# Altium PCB NxtPX4.PcbDoc (part 1 of 6)
Units mm, origin at the board's own origin, x right, y up, seen from the top; angles counter-clockwise.
Board outline 33 x 27 mm, 4 copper layers (F.Cu, In1.Cu, In2.Cu, B.Cu); 137 components, 132 nets, 629 pads, 296 vias.
Unrouted connection lines stored in the file: 3.
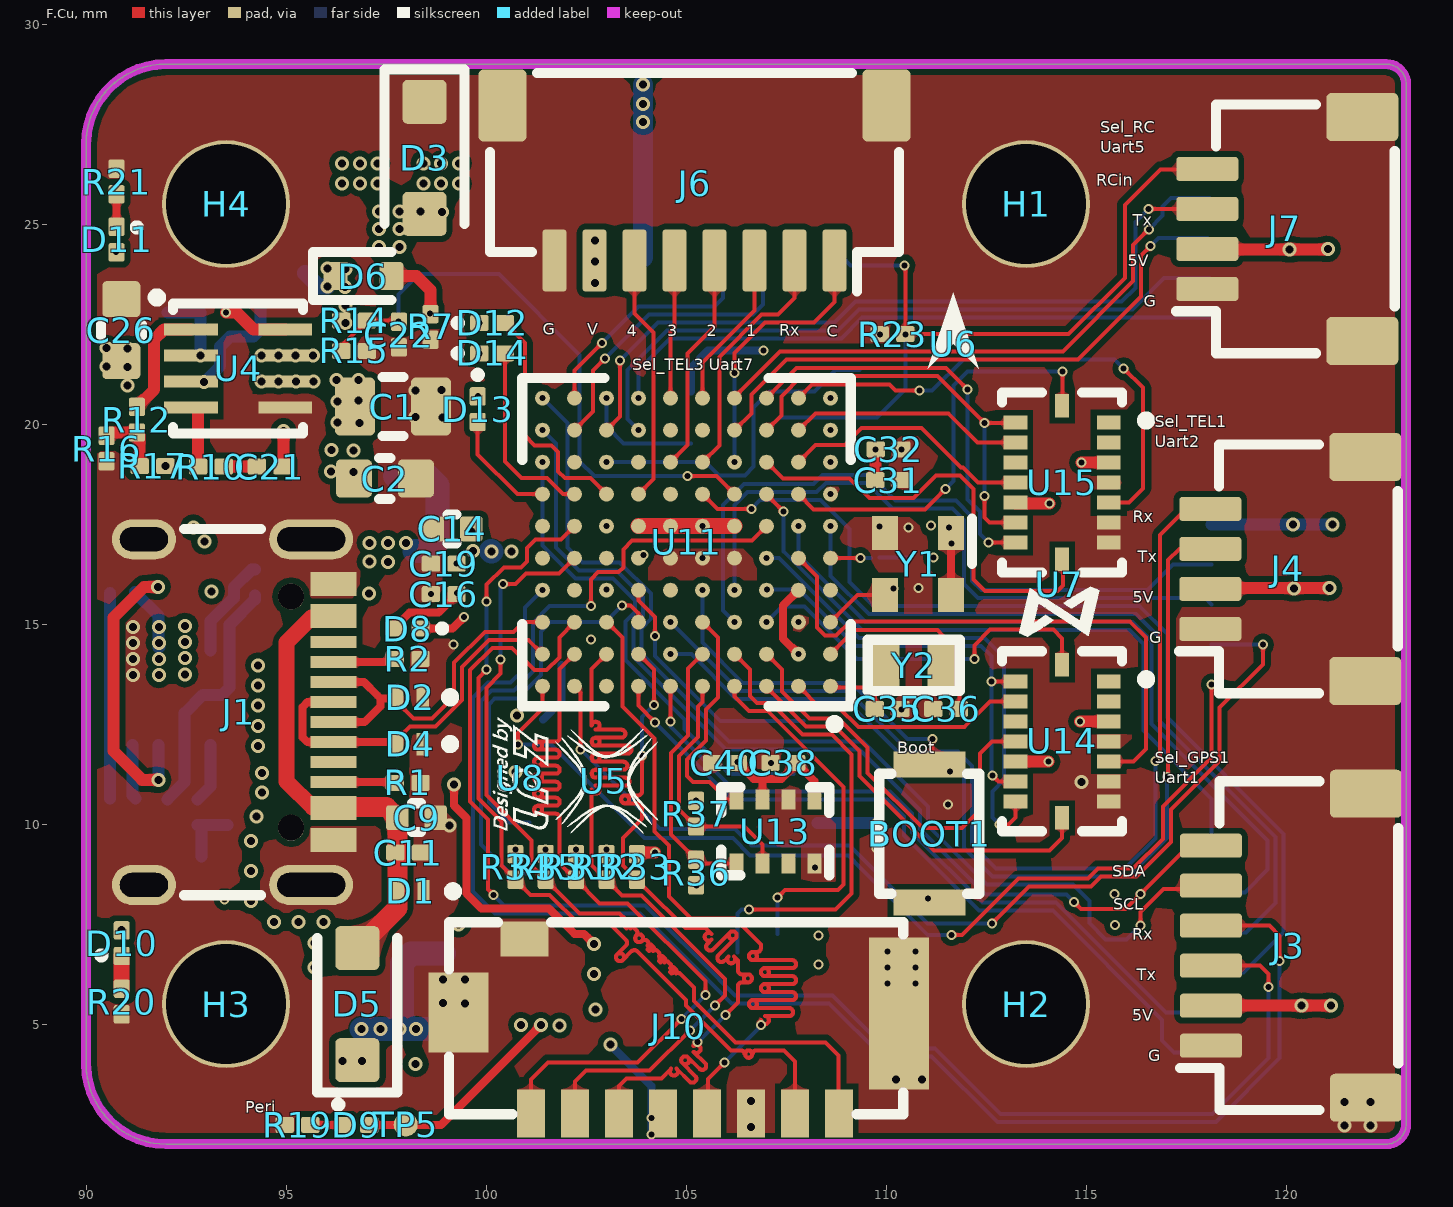
[diagram p0: F.Cu view]
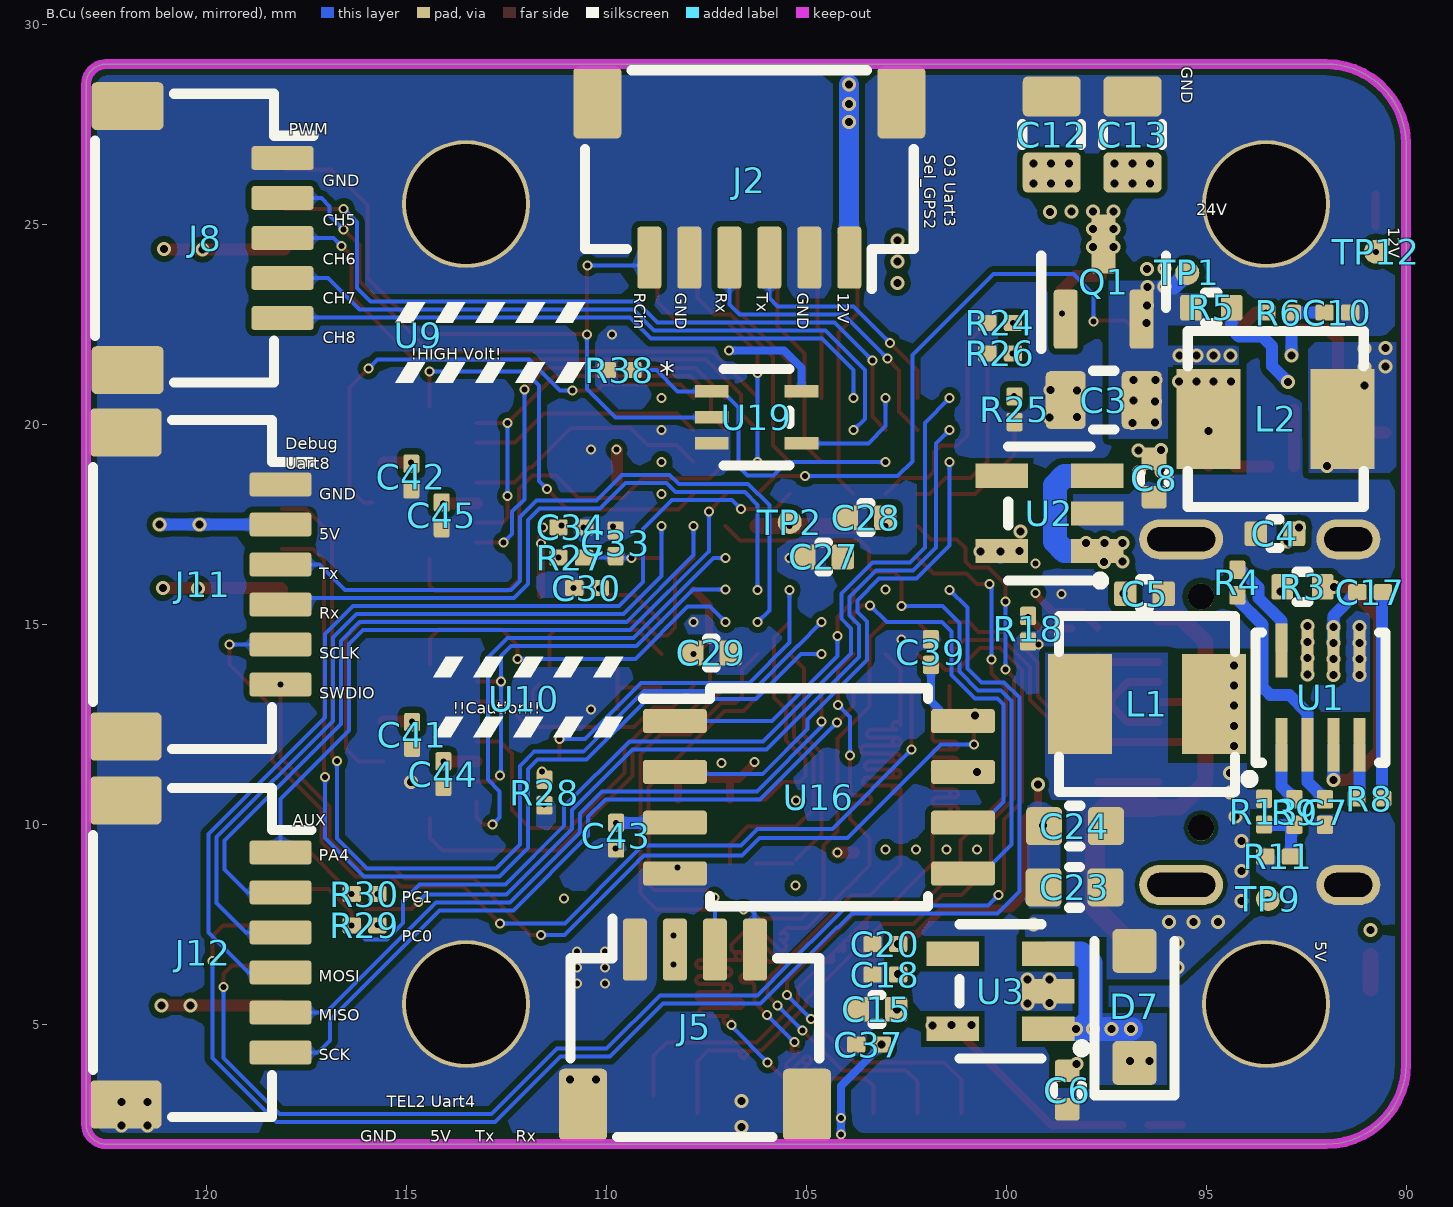
[diagram p1: B.Cu view, seen from below]
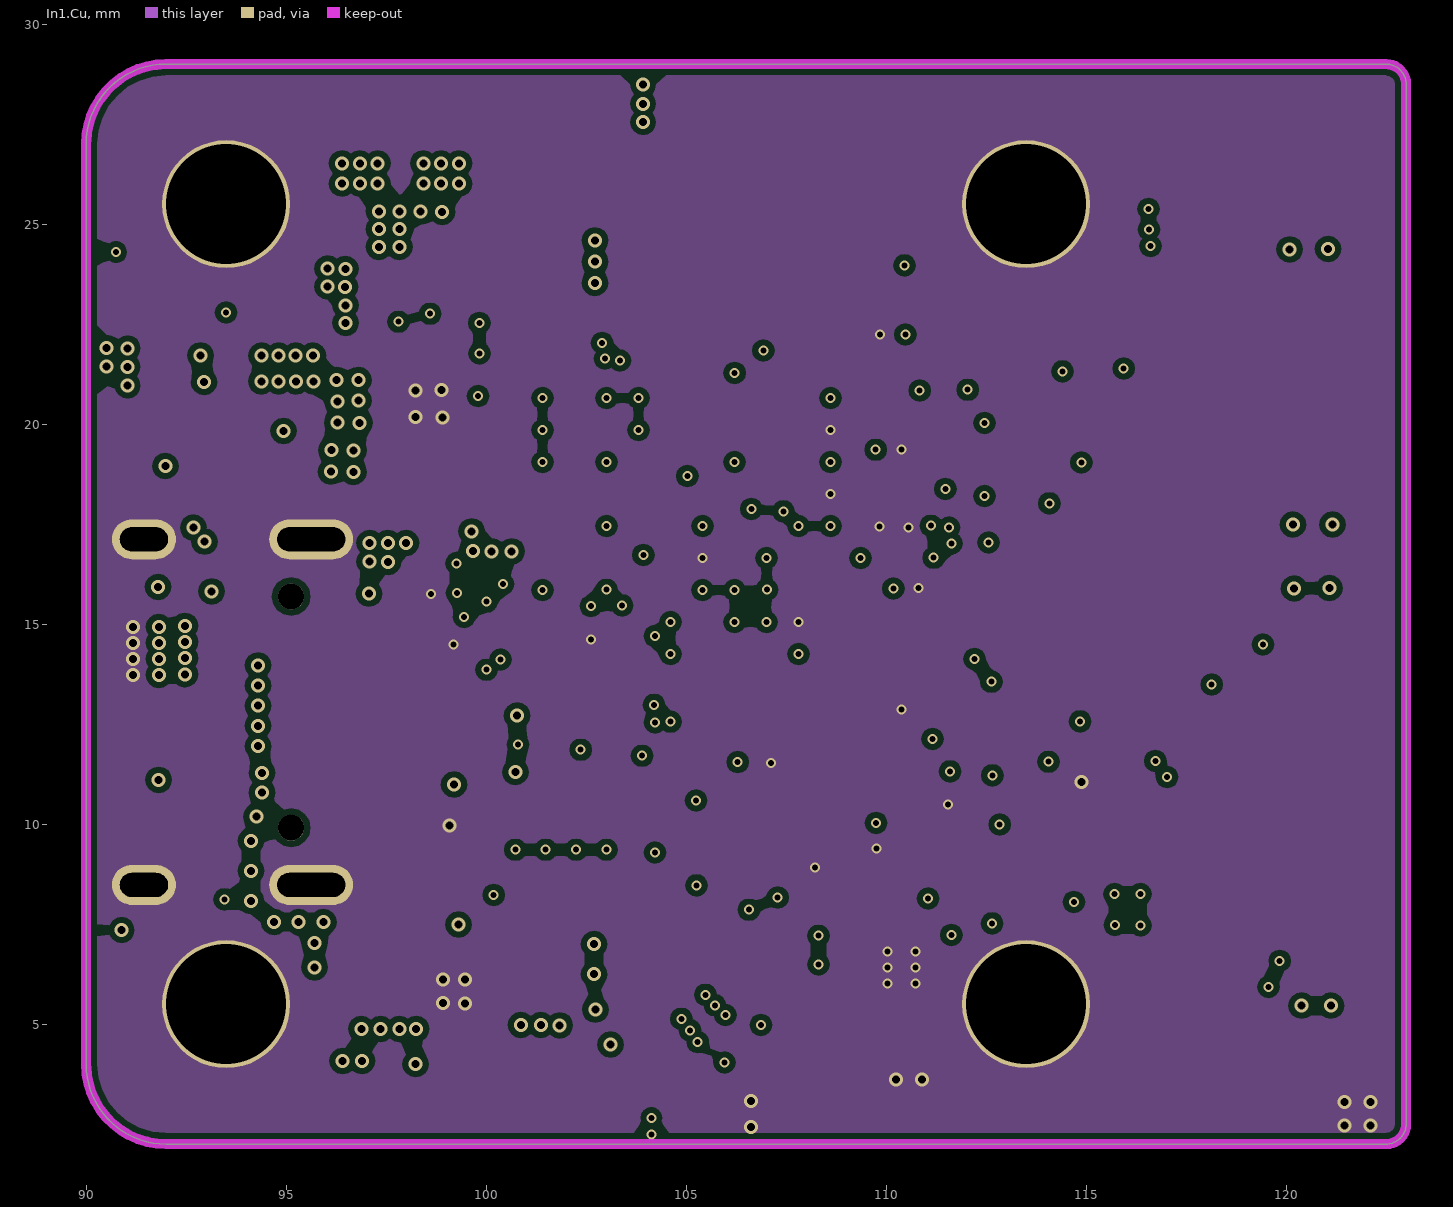
[diagram p2: In1.Cu]
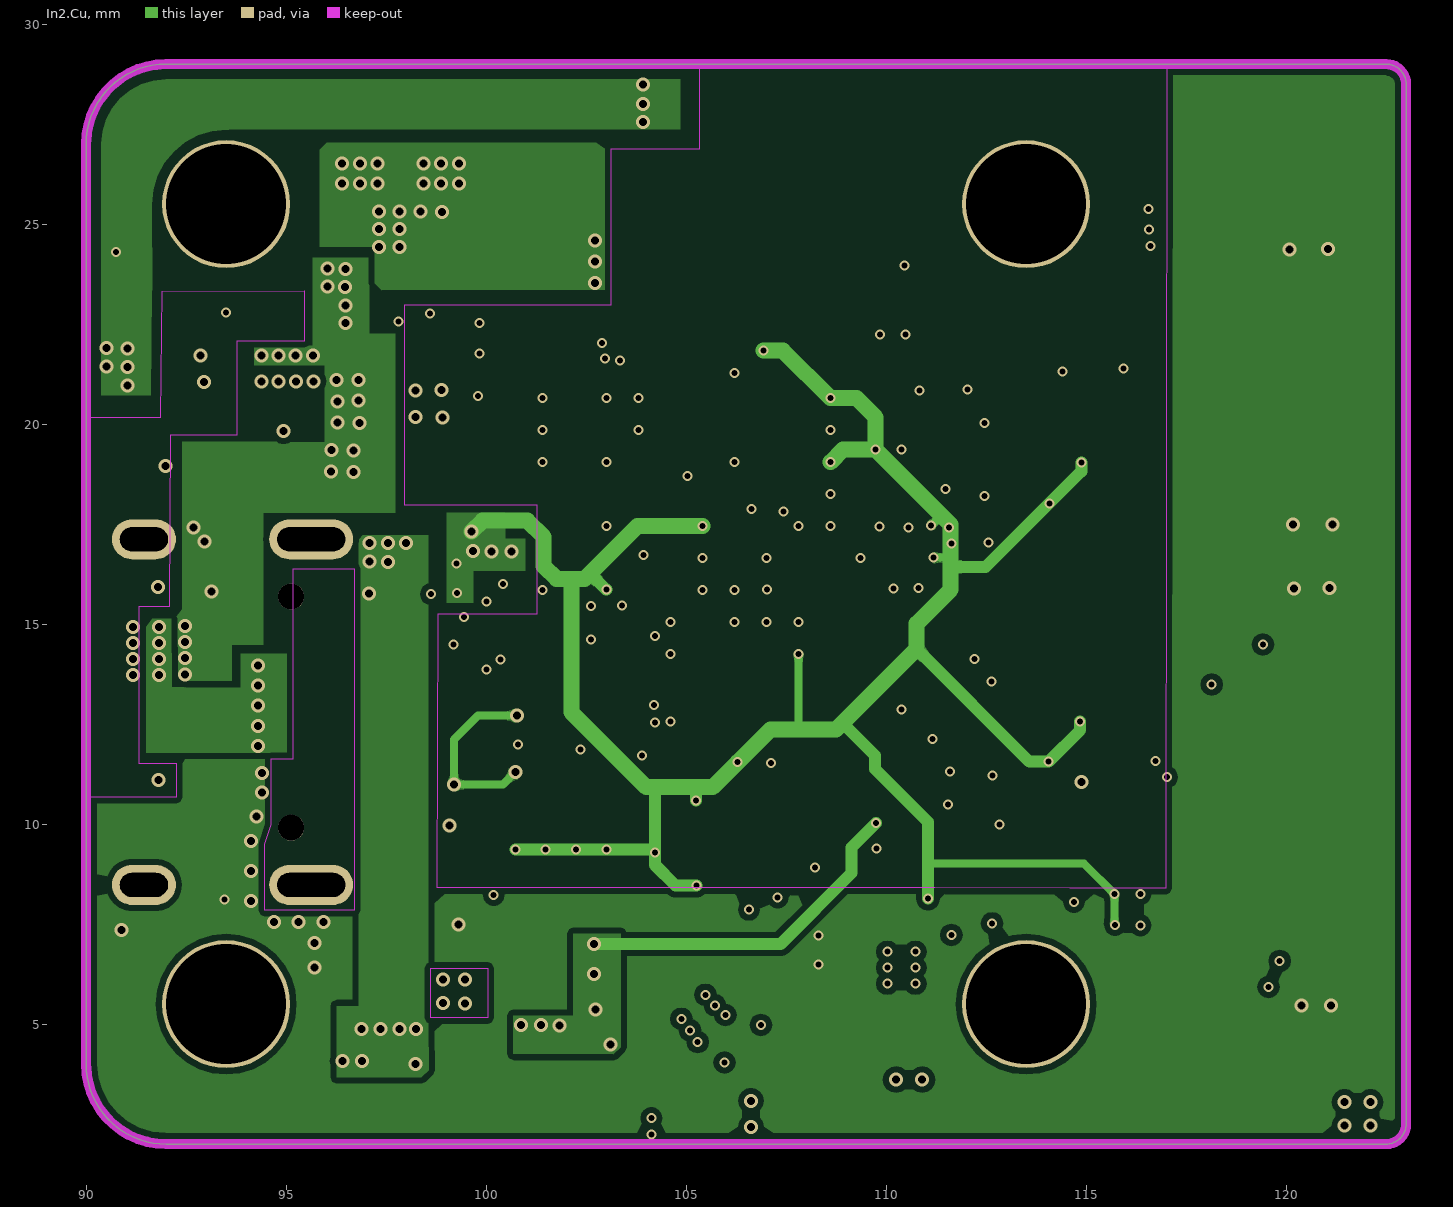
[diagram p3: In2.Cu]

## Layer stack, top to bottom
F.Mask: solder mask 0.0102, Solder Resist, Dk 3.5
F.Cu: signal copper 0.0356
Dielectric 1: dielectric 0.32, FR-4, Dk 4.8
In1.Cu: signal copper 0.0356
Dielectric2: dielectric 0.32, FR-4, Dk 4.8
In2.Cu: signal copper 0.0356
Dielectric3: dielectric 0.32, FR-4, Dk 4.8
B.Cu: signal copper 0.0356
B.Mask: solder mask 0.0102, Solder Resist, Dk 3.5

## Board outline
92,29.01 122.5,29.01 cw(c122.5,28.51) 123,28.51 123,2.51 cw(c122.5,2.51) 92,2.01 cw(c92,4.01) 90,4.01 90,27.01 cw(c92,27.01) 92,29.01

## Design rules (kind name [scope] priority, off if disabled: settings)
Clearance "Clearence 0.25_Polygon" [InNamedPolygon('In2.Cu-CAM_9V')] p1: gap=0.25 ignorepadtopadclearanceinfootprint=FALSE
Clearance "Clearence 0.15_Polygon" [InNamedPolygon('F.Cu-GND') OR InNamedPolygon('In1.Cu-GND') OR InNamedPolygon('B.Cu-GND') OR InNamedPolygon('In2.Cu-VCC_BAT') OR InNamedPolygon('In2.Cu-System_5V') OR InNamedPolygon('In2.Cu-VCC_24V') OR InNamedPolygon('In2.Cu-Net-(U1-SW)') OR InNamedPolygon('In2.Cu-Core_3V3-11') OR InNamedPolygon('In2.Cu-System_4V5')] p2: gap=0.15 ignorepadtopadclearanceinfootprint=FALSE
Clearance "Clearence 0.1_Polygon" [InNamedPolygon('B.Cu-System_5V-2') OR InNamedPolygon('B.Cu-VCC_24V-1')] p3: gap=0.1 ignorepadtopadclearanceinfootprint=FALSE
MinimumSolderMaskSliver [All] p1: minsoldermaskwidth=0
PolygonConnect Polygon_B.Cu-/BMI088_1_ADR-1_ConnectDirect [IsNamedPolygon('B.Cu-/BMI088_1_ADR-1')] p1: connectstyle=Direct reliefconductorwidth=0.254 reliefentries=4 polygonreliefangle="90 Angle" airgapwidth=0.254
PolygonConnect Polygon_B.Cu-/SBUS-3_ConnectDirect [IsNamedPolygon('B.Cu-/SBUS-3')] p2: connectstyle=Direct reliefconductorwidth=0.254 reliefentries=4 polygonreliefangle="90 Angle" airgapwidth=0.254
PolygonConnect Polygon_B.Cu-/ADC2_INP8_BATT_I-1_ConnectDirect [IsNamedPolygon('B.Cu-/ADC2_INP8_BATT_I-1')] p3: connectstyle=Direct reliefconductorwidth=0.254 reliefentries=4 polygonreliefangle="90 Angle" airgapwidth=0.254
PolygonConnect Polygon_B.Cu-/AUX1_PC0-1_ConnectDirect [IsNamedPolygon('B.Cu-/AUX1_PC0-1')] p4: connectstyle=Direct reliefconductorwidth=0.254 reliefentries=4 polygonreliefangle="90 Angle" airgapwidth=0.254
PolygonConnect Polygon_B.Cu-/USART3_TX-1_ConnectDirect [IsNamedPolygon('B.Cu-/USART3_TX-1')] p5: connectstyle=Direct reliefconductorwidth=0.254 reliefentries=4 polygonreliefangle="90 Angle" airgapwidth=0.254
PolygonConnect Polygon_B.Cu-/ADC1_INP4_BATT_V-1_ConnectDirect [IsNamedPolygon('B.Cu-/ADC1_INP4_BATT_V-1')] p6: connectstyle=Direct reliefconductorwidth=0.254 reliefentries=4 polygonreliefangle="90 Angle" airgapwidth=0.254
PolygonConnect Polygon_B.Cu-/SDMMC1_CMD-3_ConnectDirect [IsNamedPolygon('B.Cu-/SDMMC1_CMD-3')] p7: connectstyle=Direct reliefconductorwidth=0.254 reliefentries=4 polygonreliefangle="90 Angle" airgapwidth=0.254
PolygonConnect Polygon_B.Cu-/UART5_RX-1_ConnectDirect [IsNamedPolygon('B.Cu-/UART5_RX-1')] p8: connectstyle=Direct reliefconductorwidth=0.254 reliefentries=4 polygonreliefangle="90 Angle" airgapwidth=0.254
PolygonConnect Polygon_B.Cu-/SDMMC1_D0-1_ConnectDirect [IsNamedPolygon('B.Cu-/SDMMC1_D0-1')] p9: connectstyle=Direct reliefconductorwidth=0.254 reliefentries=4 polygonreliefangle="90 Angle" airgapwidth=0.254
PolygonConnect Polygon_B.Cu-/UART8_RX-1_ConnectDirect [IsNamedPolygon('B.Cu-/UART8_RX-1')] p10: connectstyle=Direct reliefconductorwidth=0.254 reliefentries=4 polygonreliefangle="90 Angle" airgapwidth=0.254
PolygonConnect Polygon_B.Cu-Periph_3V3-7_ConnectDirect [IsNamedPolygon('B.Cu-Periph_3V3-7')] p11: connectstyle=Direct reliefconductorwidth=0.254 reliefentries=4 polygonreliefangle="90 Angle" airgapwidth=0.254
PolygonConnect Polygon_B.Cu-/SWDIO-1_ConnectDirect [IsNamedPolygon('B.Cu-/SWDIO-1')] p12: connectstyle=Direct reliefconductorwidth=0.254 reliefentries=4 polygonreliefangle="90 Angle" airgapwidth=0.254
PolygonConnect Polygon_B.Cu-/ADC2_INP8_BATT_I_ConnectDirect [IsNamedPolygon('B.Cu-/ADC2_INP8_BATT_I')] p13: connectstyle=Direct reliefconductorwidth=0.254 reliefentries=4 polygonreliefangle="90 Angle" airgapwidth=0.254
PolygonConnect Polygon_B.Cu-/SDMMC1_CK-1_ConnectDirect [IsNamedPolygon('B.Cu-/SDMMC1_CK-1')] p14: connectstyle=Direct reliefconductorwidth=0.254 reliefentries=4 polygonreliefangle="90 Angle" airgapwidth=0.254
PolygonConnect Polygon_B.Cu-/BMI088_1_MISO-3_ConnectDirect [IsNamedPolygon('B.Cu-/BMI088_1_MISO-3')] p15: connectstyle=Direct reliefconductorwidth=0.254 reliefentries=4 polygonreliefangle="90 Angle" airgapwidth=0.254
PolygonConnect Polygon_B.Cu-/BMI088_0_ADR-1_ConnectDirect [IsNamedPolygon('B.Cu-/BMI088_0_ADR-1')] p16: connectstyle=Direct reliefconductorwidth=0.254 reliefentries=4 polygonreliefangle="90 Angle" airgapwidth=0.254
PolygonConnect Polygon_B.Cu-Net-(U1-SW)-3_ConnectDirect [IsNamedPolygon('B.Cu-Net-(U1-SW)-3')] p17: connectstyle=Direct reliefconductorwidth=0.254 reliefentries=4 polygonreliefangle="90 Angle" airgapwidth=0.254
PolygonConnect Polygon_B.Cu-/NRST-3_ConnectDirect [IsNamedPolygon('B.Cu-/NRST-3')] p18: connectstyle=Direct reliefconductorwidth=0.254 reliefentries=4 polygonreliefangle="90 Angle" airgapwidth=0.254
PolygonConnect Polygon_B.Cu-Periph_3V3-6_ConnectDirect [IsNamedPolygon('B.Cu-Periph_3V3-6')] p19: connectstyle=Direct reliefconductorwidth=0.254 reliefentries=4 polygonreliefangle="90 Angle" airgapwidth=0.254
PolygonConnect Polygon_B.Cu-/SBUS_INV-2_ConnectDirect [IsNamedPolygon('B.Cu-/SBUS_INV-2')] p20: connectstyle=Direct reliefconductorwidth=0.254 reliefentries=4 polygonreliefangle="90 Angle" airgapwidth=0.254
PolygonConnect Polygon_B.Cu-Net-(C17-Pad1)-1_ConnectDirect [IsNamedPolygon('B.Cu-Net-(C17-Pad1)-1')] p21: connectstyle=Direct reliefconductorwidth=0.254 reliefentries=4 polygonreliefangle="90 Angle" airgapwidth=0.254
PolygonConnect Polygon_B.Cu-/EX_SPI3_SCK-1_ConnectDirect [IsNamedPolygon('B.Cu-/EX_SPI3_SCK-1')] p22: connectstyle=Direct reliefconductorwidth=0.254 reliefentries=4 polygonreliefangle="90 Angle" airgapwidth=0.254
PolygonConnect Polygon_B.Cu-/EX_SPI3_MOSI-1_ConnectDirect [IsNamedPolygon('B.Cu-/EX_SPI3_MOSI-1')] p23: connectstyle=Direct reliefconductorwidth=0.254 reliefentries=4 polygonreliefangle="90 Angle" airgapwidth=0.254
PolygonConnect Polygon_B.Cu-/USART1_TX-1_ConnectDirect [IsNamedPolygon('B.Cu-/USART1_TX-1')] p24: connectstyle=Direct reliefconductorwidth=0.254 reliefentries=4 polygonreliefangle="90 Angle" airgapwidth=0.254
PolygonConnect Polygon_B.Cu-/AUX2_PC1-1_ConnectDirect [IsNamedPolygon('B.Cu-/AUX2_PC1-1')] p25: connectstyle=Direct reliefconductorwidth=0.254 reliefentries=4 polygonreliefangle="90 Angle" airgapwidth=0.254
PolygonConnect Polygon_B.Cu-/EX_I2C4_SDA-1_ConnectDirect [IsNamedPolygon('B.Cu-/EX_I2C4_SDA-1')] p26: connectstyle=Direct reliefconductorwidth=0.254 reliefentries=4 polygonreliefangle="90 Angle" airgapwidth=0.254
PolygonConnect Polygon_B.Cu-/UART5_TX-1_ConnectDirect [IsNamedPolygon('B.Cu-/UART5_TX-1')] p27: connectstyle=Direct reliefconductorwidth=0.254 reliefentries=4 polygonreliefangle="90 Angle" airgapwidth=0.254
PolygonConnect Polygon_B.Cu-Net-(U4-VCC)-3_ConnectDirect [IsNamedPolygon('B.Cu-Net-(U4-VCC)-3')] p28: connectstyle=Direct reliefconductorwidth=0.254 reliefentries=4 polygonreliefangle="90 Angle" airgapwidth=0.254
PolygonConnect Polygon_B.Cu-Periph_3V3-5_ConnectDirect [IsNamedPolygon('B.Cu-Periph_3V3-5')] p29: connectstyle=Direct reliefconductorwidth=0.254 reliefentries=4 polygonreliefangle="90 Angle" airgapwidth=0.254
PolygonConnect Polygon_B.Cu-/EX_I2C4_SCL-2_ConnectDirect [IsNamedPolygon('B.Cu-/EX_I2C4_SCL-2')] p30: connectstyle=Direct reliefconductorwidth=0.254 reliefentries=4 polygonreliefangle="90 Angle" airgapwidth=0.254
PolygonConnect Polygon_B.Cu-/SDMMC1_CMD-2_ConnectDirect [IsNamedPolygon('B.Cu-/SDMMC1_CMD-2')] p31: connectstyle=Direct reliefconductorwidth=0.254 reliefentries=4 polygonreliefangle="90 Angle" airgapwidth=0.254
PolygonConnect Polygon_B.Cu-/SDMMC1_CMD-1_ConnectDirect [IsNamedPolygon('B.Cu-/SDMMC1_CMD-1')] p32: connectstyle=Direct reliefconductorwidth=0.254 reliefentries=4 polygonreliefangle="90 Angle" airgapwidth=0.254
PolygonConnect Polygon_B.Cu-/AUX3_PA4-1_ConnectDirect [IsNamedPolygon('B.Cu-/AUX3_PA4-1')] p33: connectstyle=Direct reliefconductorwidth=0.254 reliefentries=4 polygonreliefangle="90 Angle" airgapwidth=0.254
PolygonConnect Polygon_B.Cu-VCC_24V-1_ConnectDirect [IsNamedPolygon('B.Cu-VCC_24V-1')] p34: connectstyle=Direct reliefconductorwidth=0.254 reliefentries=4 polygonreliefangle="90 Angle" airgapwidth=0.254
PolygonConnect Polygon_B.Cu-Net-(U11B-BOOT0)-1_ConnectDirect [IsNamedPolygon('B.Cu-Net-(U11B-BOOT0)-1')] p35: connectstyle=Direct reliefconductorwidth=0.254 reliefentries=4 polygonreliefangle="90 Angle" airgapwidth=0.254
PolygonConnect Polygon_B.Cu-System_4V5_ConnectDirect [IsNamedPolygon('B.Cu-System_4V5')] p36: connectstyle=Direct reliefconductorwidth=0.254 reliefentries=4 polygonreliefangle="90 Angle" airgapwidth=0.254
PolygonConnect Polygon_B.Cu-/UART8_TX-1_ConnectDirect [IsNamedPolygon('B.Cu-/UART8_TX-1')] p37: connectstyle=Direct reliefconductorwidth=0.254 reliefentries=4 polygonreliefangle="90 Angle" airgapwidth=0.254
PolygonConnect Polygon_B.Cu-/UART4_RX-1_ConnectDirect [IsNamedPolygon('B.Cu-/UART4_RX-1')] p38: connectstyle=Direct reliefconductorwidth=0.254 reliefentries=4 polygonreliefangle="90 Angle" airgapwidth=0.254
PolygonConnect Polygon_B.Cu-Periph_3V3-4_ConnectDirect [IsNamedPolygon('B.Cu-Periph_3V3-4')] p39: connectstyle=Direct reliefconductorwidth=0.254 reliefentries=4 polygonreliefangle="90 Angle" airgapwidth=0.254
PolygonConnect Polygon_B.Cu-/BMI088_0_MOSI-1_ConnectDirect [IsNamedPolygon('B.Cu-/BMI088_0_MOSI-1')] p40: connectstyle=Direct reliefconductorwidth=0.254 reliefentries=4 polygonreliefangle="90 Angle" airgapwidth=0.254
PolygonConnect Polygon_B.Cu-/BMI088_0_MOSI_ConnectDirect [IsNamedPolygon('B.Cu-/BMI088_0_MOSI')] p41: connectstyle=Direct reliefconductorwidth=0.254 reliefentries=4 polygonreliefangle="90 Angle" airgapwidth=0.254
PolygonConnect Polygon_B.Cu-/USART2_TX-1_ConnectDirect [IsNamedPolygon('B.Cu-/USART2_TX-1')] p42: connectstyle=Direct reliefconductorwidth=0.254 reliefentries=4 polygonreliefangle="90 Angle" airgapwidth=0.254
PolygonConnect Polygon_B.Cu-Net-(U4-VCC)-2_ConnectDirect [IsNamedPolygon('B.Cu-Net-(U4-VCC)-2')] p43: connectstyle=Direct reliefconductorwidth=0.254 reliefentries=4 polygonreliefangle="90 Angle" airgapwidth=0.254
PolygonConnect Polygon_B.Cu-/TIM3_CH4-1_ConnectDirect [IsNamedPolygon('B.Cu-/TIM3_CH4-1')] p44: connectstyle=Direct reliefconductorwidth=0.254 reliefentries=4 polygonreliefangle="90 Angle" airgapwidth=0.254
PolygonConnect Polygon_B.Cu-/FRAM_SPI2_~{CS}_ConnectDirect [IsNamedPolygon('B.Cu-/FRAM_SPI2_~{CS}')] p45: connectstyle=Direct reliefconductorwidth=0.254 reliefentries=4 polygonreliefangle="90 Angle" airgapwidth=0.254
PolygonConnect Polygon_B.Cu-/FRAM_SPI2_SCK_ConnectDirect [IsNamedPolygon('B.Cu-/FRAM_SPI2_SCK')] p46: connectstyle=Direct reliefconductorwidth=0.254 reliefentries=4 polygonreliefangle="90 Angle" airgapwidth=0.254
PolygonConnect Polygon_B.Cu-/EX_I2C4_SCL-1_ConnectDirect [IsNamedPolygon('B.Cu-/EX_I2C4_SCL-1')] p47: connectstyle=Direct reliefconductorwidth=0.254 reliefentries=4 polygonreliefangle="90 Angle" airgapwidth=0.254
PolygonConnect Polygon_B.Cu-/TIM3_CH3-1_ConnectDirect [IsNamedPolygon('B.Cu-/TIM3_CH3-1')] p48: connectstyle=Direct reliefconductorwidth=0.254 reliefentries=4 polygonreliefangle="90 Angle" airgapwidth=0.254
PolygonConnect Polygon_B.Cu-/SDMMC1_D0_ConnectDirect [IsNamedPolygon('B.Cu-/SDMMC1_D0')] p49: connectstyle=Direct reliefconductorwidth=0.254 reliefentries=4 polygonreliefangle="90 Angle" airgapwidth=0.254
PolygonConnect Polygon_B.Cu-/USART3_RX-1_ConnectDirect [IsNamedPolygon('B.Cu-/USART3_RX-1')] p50: connectstyle=Direct reliefconductorwidth=0.254 reliefentries=4 polygonreliefangle="90 Angle" airgapwidth=0.254
PolygonConnect Polygon_B.Cu-/EX_SPI3_MISO-1_ConnectDirect [IsNamedPolygon('B.Cu-/EX_SPI3_MISO-1')] p51: connectstyle=Direct reliefconductorwidth=0.254 reliefentries=4 polygonreliefangle="90 Angle" airgapwidth=0.254
PolygonConnect Polygon_B.Cu-/UART5_RX_ConnectDirect [IsNamedPolygon('B.Cu-/UART5_RX')] p52: connectstyle=Direct reliefconductorwidth=0.254 reliefentries=4 polygonreliefangle="90 Angle" airgapwidth=0.254
PolygonConnect Polygon_B.Cu-/USART3_TX_ConnectDirect [IsNamedPolygon('B.Cu-/USART3_TX')] p53: connectstyle=Direct reliefconductorwidth=0.254 reliefentries=4 polygonreliefangle="90 Angle" airgapwidth=0.254
PolygonConnect Polygon_B.Cu-/TIM3_CH3_ConnectDirect [IsNamedPolygon('B.Cu-/TIM3_CH3')] p54: connectstyle=Direct reliefconductorwidth=0.254 reliefentries=4 polygonreliefangle="90 Angle" airgapwidth=0.254
PolygonConnect Polygon_B.Cu-/UART4_RX_ConnectDirect [IsNamedPolygon('B.Cu-/UART4_RX')] p55: connectstyle=Direct reliefconductorwidth=0.254 reliefentries=4 polygonreliefangle="90 Angle" airgapwidth=0.254
PolygonConnect Polygon_B.Cu-Periph_3V3-3_ConnectDirect [IsNamedPolygon('B.Cu-Periph_3V3-3')] p56: connectstyle=Direct reliefconductorwidth=0.254 reliefentries=4 polygonreliefangle="90 Angle" airgapwidth=0.254
PolygonConnect Polygon_B.Cu-/SCLK-3_ConnectDirect [IsNamedPolygon('B.Cu-/SCLK-3')] p57: connectstyle=Direct reliefconductorwidth=0.254 reliefentries=4 polygonreliefangle="90 Angle" airgapwidth=0.254
PolygonConnect Polygon_B.Cu-/SBUS-2_ConnectDirect [IsNamedPolygon('B.Cu-/SBUS-2')] p58: connectstyle=Direct reliefconductorwidth=0.254 reliefentries=4 polygonreliefangle="90 Angle" airgapwidth=0.254
PolygonConnect Polygon_B.Cu-/AUX3_PA4_ConnectDirect [IsNamedPolygon('B.Cu-/AUX3_PA4')] p59: connectstyle=Direct reliefconductorwidth=0.254 reliefentries=4 polygonreliefangle="90 Angle" airgapwidth=0.254
PolygonConnect Polygon_B.Cu-/SDMMC1_CMD_ConnectDirect [IsNamedPolygon('B.Cu-/SDMMC1_CMD')] p60: connectstyle=Direct reliefconductorwidth=0.254 reliefentries=4 polygonreliefangle="90 Angle" airgapwidth=0.254
PolygonConnect Polygon_B.Cu-System_5V-4_ConnectDirect [IsNamedPolygon('B.Cu-System_5V-4')] p61: connectstyle=Direct reliefconductorwidth=0.254 reliefentries=4 polygonreliefangle="90 Angle" airgapwidth=0.254
PolygonConnect Polygon_B.Cu-/SDMMC1_D3-1_ConnectDirect [IsNamedPolygon('B.Cu-/SDMMC1_D3-1')] p62: connectstyle=Direct reliefconductorwidth=0.254 reliefentries=4 polygonreliefangle="90 Angle" airgapwidth=0.254
PolygonConnect Polygon_B.Cu-/TIM2_CH3-1_ConnectDirect [IsNamedPolygon('B.Cu-/TIM2_CH3-1')] p63: connectstyle=Direct reliefconductorwidth=0.254 reliefentries=4 polygonreliefangle="90 Angle" airgapwidth=0.254
PolygonConnect Polygon_B.Cu-/UART5_TX_ConnectDirect [IsNamedPolygon('B.Cu-/UART5_TX')] p64: connectstyle=Direct reliefconductorwidth=0.254 reliefentries=4 polygonreliefangle="90 Angle" airgapwidth=0.254
PolygonConnect Polygon_B.Cu-CAM_9V-1_ConnectDirect [IsNamedPolygon('B.Cu-CAM_9V-1')] p65: connectstyle=Direct reliefconductorwidth=0.254 reliefentries=4 polygonreliefangle="90 Angle" airgapwidth=0.254
PolygonConnect Polygon_B.Cu-/SDMMC1_D2-1_ConnectDirect [IsNamedPolygon('B.Cu-/SDMMC1_D2-1')] p66: connectstyle=Direct reliefconductorwidth=0.254 reliefentries=4 polygonreliefangle="90 Angle" airgapwidth=0.254
PolygonConnect Polygon_B.Cu-/UART8_RX_ConnectDirect [IsNamedPolygon('B.Cu-/UART8_RX')] p67: connectstyle=Direct reliefconductorwidth=0.254 reliefentries=4 polygonreliefangle="90 Angle" airgapwidth=0.254
PolygonConnect Polygon_B.Cu-/USART1_TX_ConnectDirect [IsNamedPolygon('B.Cu-/USART1_TX')] p68: connectstyle=Direct reliefconductorwidth=0.254 reliefentries=4 polygonreliefangle="90 Angle" airgapwidth=0.254
PolygonConnect Polygon_B.Cu-Net-(U1-VCC)-1_ConnectDirect [IsNamedPolygon('B.Cu-Net-(U1-VCC)-1')] p69: connectstyle=Direct reliefconductorwidth=0.254 reliefentries=4 polygonreliefangle="90 Angle" airgapwidth=0.254
PolygonConnect Polygon_B.Cu-/BMI088_1_MISO-2_ConnectDirect [IsNamedPolygon('B.Cu-/BMI088_1_MISO-2')] p70: connectstyle=Direct reliefconductorwidth=0.254 reliefentries=4 polygonreliefangle="90 Angle" airgapwidth=0.254
PolygonConnect Polygon_B.Cu-/SDMMC1_CK_ConnectDirect [IsNamedPolygon('B.Cu-/SDMMC1_CK')] p71: connectstyle=Direct reliefconductorwidth=0.254 reliefentries=4 polygonreliefangle="90 Angle" airgapwidth=0.254
PolygonConnect Polygon_B.Cu-Net-(U4-VCC)-1_ConnectDirect [IsNamedPolygon('B.Cu-Net-(U4-VCC)-1')] p72: connectstyle=Direct reliefconductorwidth=0.254 reliefentries=4 polygonreliefangle="90 Angle" airgapwidth=0.254
PolygonConnect Polygon_B.Cu-Net-(U1-SW)-2_ConnectDirect [IsNamedPolygon('B.Cu-Net-(U1-SW)-2')] p73: connectstyle=Direct reliefconductorwidth=0.254 reliefentries=4 polygonreliefangle="90 Angle" airgapwidth=0.254